# Allegro board 8880F5-0820_5.brd (continued)
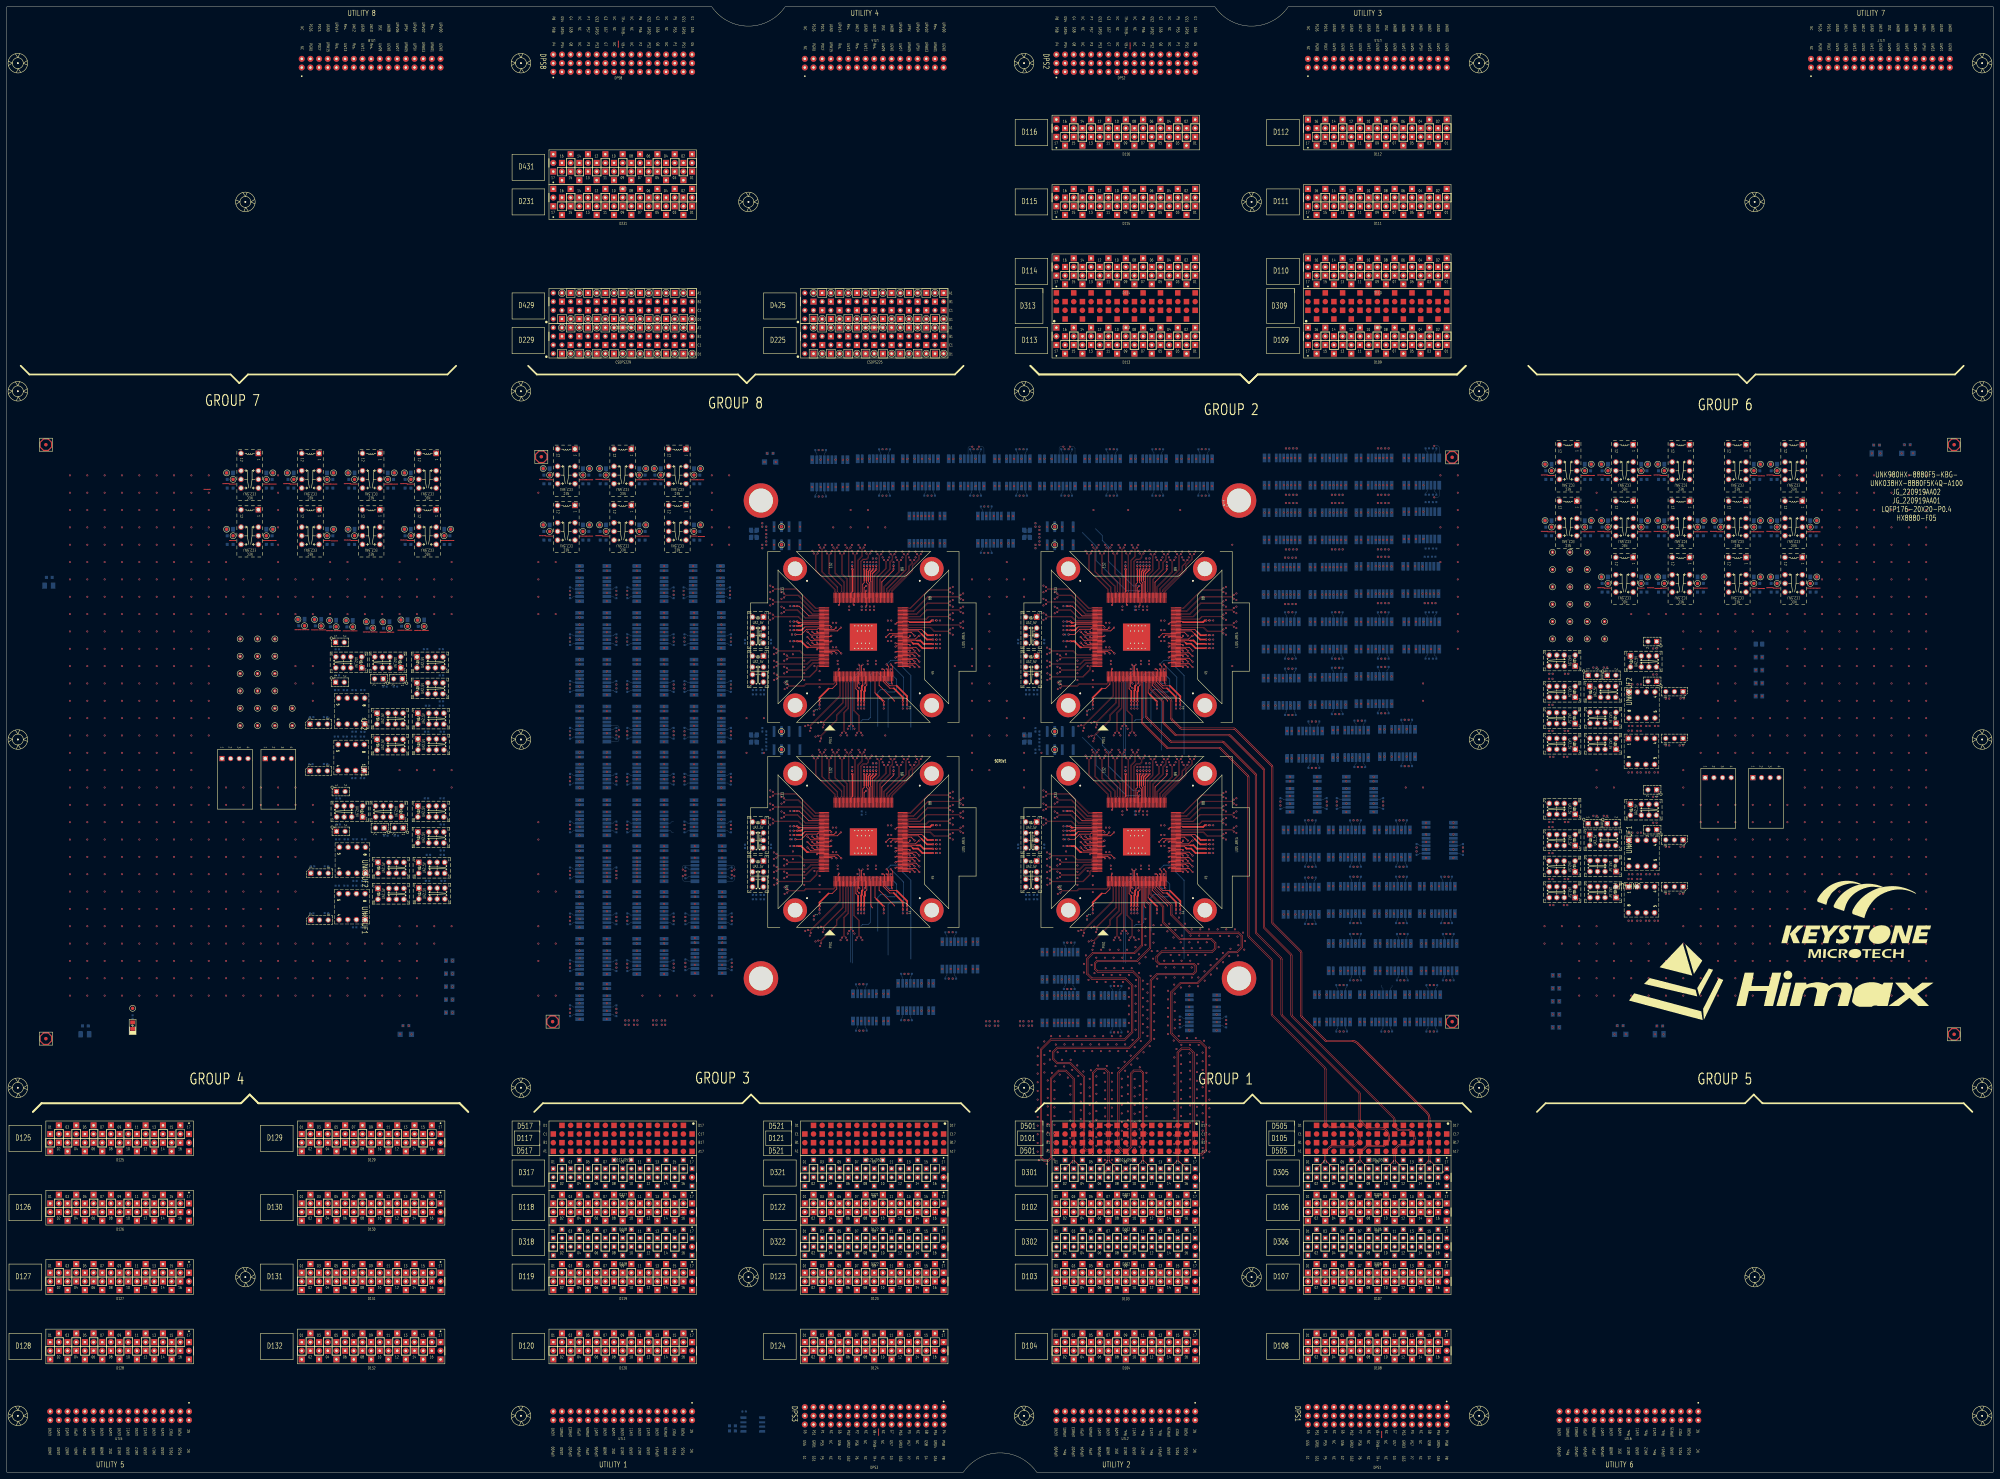
[diagram p0: board, top side]
## Routing (per net, layer and track width the routed paths; a pad name or vN(x,y) marks a point on that pad's centre or on a via; arc(x,y) is an arc through that point) (continued)
S2_SPI_1_CSN:
  vias: v1(474.99,230.78)
S2_SPI_1_SCK:
  vias: v1(480.07,218.59)
S2_SPI_1_SDI:
  vias: v1(456.19,217.17)
S2_SPI_1_SDO:
  vias: v1(455.94,209.55)
S2_SPI_2_CSN:
  vias: v1(475.87,217.23)
S2_SPI_2_SCK:
  vias: v1(479.97,204.98)
S2_SPI_2_SDI:
  vias: v1(451.62,217.17)
S2_SPI_2_SDO:
  vias: v1(451.87,209.55)
S2_SPI_11_SDI:
  vias: v1(457.19,217.17) v1(477.53,230.78)
S2_SPI_11_SDO:
  vias: v1(456.94,209.55) v1(482.61,218.59)
S2_SPI_22_SDI:
  vias: v1(452.62,217.17) v1(477.43,217.17)
S2_SPI_22_SDO:
  vias: v1(452.87,209.55) v1(482.51,204.98)
S2_SPI_CSN: length 25.9
  TOP w0.231: SITE2.43 339.03,231.23 v1(339.23,231.03)
  BOTTOM w0.231: v1(339.23,231.03) 338.4,231.03 335.17,234.25 333.57,234.25 332.91,233.59 332.91,221.11 332.25,220.44 330.61,220.44 330.11,219.95
S2_SPI_SCK: length 25.3
  TOP w0.231: SITE2.42 338.63,235.03 v1(338.83,235.23)
  BOTTOM w0.231: v1(338.83,235.23) 338.83,233.98 340.53,232.28 340.53,229.11 339.96,228.54 337.9,228.54 337.17,229.27 335.92,229.27 335.03,228.39 335.03,218.48
S2_SPI_SDI: length 34.1
  TOP w0.231: v1(338.83,236.63) 339.43,236.03 SITE2.44
  BOTTOM w0.231: v1(338.83,236.63) 342.6,232.86 342.6,227.63 342.04,227.06 338.85,227.06 338.07,226.28 338.07,211.53
S2_SPI_SDO: length 37
  TOP w0.231: SITE2.41 338.23,236.03 v1(337.63,236.63)
  BOTTOM w0.231: v1(337.63,236.63) 338.83,237.83 341.5,237.83 342.29,237.04 342.29,235.83 344.72,233.4 344.72,210.32
S2_XTAL_IN: length 28.3
  TOP w0.231: v1(331.63,258.23) 331.43,258.03 SITE2.109
  BOTTOM w0.231: v1(331.63,258.23) 327.82,258.23 318.94,267.1 318.94,271.27 314.98,275.24
  vias: v1(306.85,271.67)
S2_XTAL_OUT: length 26.8
  TOP w0.231: SITE2.110 331.03,259.03 v1(331.63,259.63)
  BOTTOM w0.231: v1(331.63,259.63) 329.83,259.63 322.59,266.87 322.59,271.15 320.8,272.93 320.8,274.36 318.8,276.35
  vias: v1(306.85,276.97)
S3_1TX_100DCH001+:
  vias: v1(184.47,176.66) v1(276.97,144.59)
S3_1TX_100DCH001-:
  vias: v1(192.47,176.66) v1(275.82,144.59)
S3_1TX_100DCH002+: length 17.2
  TOP w0.086: SITE3.75 263.98,188.03 264.06,188.11 278.84,188.11 v1(279.29,187.66)
  vias: v1(276.97,158.18)
S3_1TX_100DCH002-: length 17.2
  TOP w0.086: v1(279.29,188.8) 278.84,188.35 264.06,188.35 263.98,188.43 SITE3.76
  vias: v1(275.82,158.18)
S3_1TX_100DCH003+: length 14.5
  TOP w0.086: SITE3.79 263.98,189.63 264.06,189.71 269.2,189.71 270.02,190.53 275.8,190.53 v1(276.24,190.09)
  vias: v1(250.81,129.35)
S3_1TX_100DCH003-: length 14.5
  TOP w0.086: v1(276.24,191.23) 275.78,190.77 269.92,190.77 269.1,189.95 264.06,189.95 263.98,190.03 SITE3.80
  vias: v1(249.66,129.35)
S3_1TX_100DCH004+: length 18
  TOP w0.086: v1(279.29,192.02) 278.8,192.51 269.46,192.51 267.46,190.51 264.06,190.51 263.98,190.43 SITE3.81
  vias: v1(250.81,142.94)
S3_1TX_100DCH004-: length 18
  TOP w0.086: v1(279.29,193.16) 278.88,192.75 269.36,192.75 267.37,190.75 264.06,190.75 263.98,190.83 SITE3.82
  vias: v1(249.66,142.94)
S3_1TX_100DCH005+: length 15.4
  TOP w0.086: v1(276.24,193.95) 275.8,194.39 269.61,194.39 266.53,191.31 264.06,191.31 263.98,191.23 SITE3.83
  vias: v1(264.01,132.4)
S3_1TX_100DCH005-: length 15.4
  TOP w0.086: v1(276.24,195.09) 275.78,194.63 269.51,194.63 266.43,191.55 264.06,191.55 263.98,191.63 SITE3.84
  vias: v1(262.87,132.4)
S3_1TX_100DCH006+: length 19
  TOP w0.086: v1(279.29,195.88) 278.81,196.36 269.82,196.36 265.58,192.11 264.06,192.11 263.98,192.03 SITE3.85
  vias: v1(264.01,145.99)
S3_1TX_100DCH006-: length 18.9
  TOP w0.086: SITE3.86 263.98,192.43 264.06,192.35 265.48,192.35 269.73,196.6 278.87,196.6 v1(279.29,197.02)
  vias: v1(262.87,145.99)
S3_1TX_100DCH007+: length 16.3
  TOP w0.086: v1(276.24,197.81) 275.83,198.23 269.88,198.23 264.57,192.91 264.06,192.91 263.98,192.83 SITE3.87
  vias: v1(178.5,176.13)
S3_1TX_100DCH007-: length 16.4
  TOP w0.086: SITE3.88 263.98,193.23 264.06,193.15 264.47,193.15 269.78,198.47 275.76,198.47 v1(276.24,198.95)
  vias: v1(178.5,174.99)
S3_2AUX+:
  vias: v1(192.78,132.33) v1(192.78,131.06)
S3_2AUX-:
  vias: v1(189.24,131.06) v1(190.24,132.33)
S3_2TX_100DCH001+: length 16.3
  TOP w0.086: SITE3.89 259.43,197.78 259.35,197.86 259.35,198.16 265.32,204.13 265.32,205.52 267.21,207.41 267.21,208.5 v1(267.64,208.93)
  vias: v1(164.91,176.13)
S3_2TX_100DCH001-: length 16.3
  TOP w0.086: 266.97,208.48 266.97,208.46 ; 266.97,208.46 v1(266.5,208.93) ; 266.97,208.46 266.97,207.51 265.08,205.62 265.08,204.23 259.11,198.26 259.11,197.86 259.03,197.78 SITE3.90
  vias: v1(164.91,174.99)
S3_2TX_100DCH002+: length 14.1
  TOP w0.086: SITE3.91 258.63,197.78 258.55,197.86 258.55,198.23 264.35,204.04 264.35,205.37 265.28,206.31 265.28,206.78 v1(265.72,207.21)
  vias: v1(195.26,217.02)
S3_2TX_100DCH002-: length 14.1
  TOP w0.086: SITE3.92 258.23,197.78 258.31,197.86 258.31,198.33 264.11,204.13 264.11,205.47 265.04,206.4 265.04,206.74 v1(264.57,207.21)
  vias: v1(195.26,215.88)
S3_2TX_100DCH003+: length 15.3
  TOP w0.086: SITE3.93 257.83,197.78 257.75,197.86 257.75,198.68 263.34,204.27 263.34,208.49 v1(263.79,208.93)
  vias: v1(181.67,217.02)
S3_2TX_100DCH003-: length 15.3
  TOP w0.086: SITE3.94 257.43,197.78 257.51,197.86 257.51,198.78 263.1,204.37 263.1,208.47 v1(262.64,208.93)
  vias: v1(181.67,215.88)
S3_2TX_100DCH004+: length 13.1
  TOP w0.086: SITE3.95 257.03,197.78 256.95,197.86 256.95,199.28 261.41,203.74 261.41,206.77 v1(261.86,207.21)
  vias: v1(212.03,217.02)
S3_2TX_100DCH004-: length 13.2
  TOP w0.086: SITE3.96 256.63,197.78 256.71,197.86 256.71,199.38 261.17,203.84 261.17,206.75 v1(260.71,207.21)
  vias: v1(212.03,215.88)
S3_2TX_100DCH005+: length 14.6
  TOP w0.086: SITE3.98 255.83,197.78 255.75,197.86 255.75,201.48 258.7,204.43 258.7,206.53 259.46,207.3 259.46,208.47 v1(259.93,208.93)
  vias: v1(198.44,217.02)
S3_2TX_100DCH005-: length 14.6
  TOP w0.086: v1(258.78,208.93) 259.23,208.49 259.23,207.4 258.46,206.63 258.46,204.53 255.51,201.58 255.51,197.86 255.43,197.78 SITE3.99
  vias: v1(198.44,215.88)
S3_2TX_100DCH006+: length 12.4
  TOP w0.086: v1(258,207.21) 257.55,206.76 257.55,204.67 254.95,202.07 254.95,197.86 255.03,197.78 SITE3.100
  vias: v1(195.26,203.56)
S3_2TX_100DCH006-: length 12.4
  TOP w0.086: v1(256.85,207.21) 257.31,206.76 257.31,204.77 254.71,202.17 254.71,197.86 254.63,197.78 SITE3.101
  vias: v1(195.26,202.42)
S3_2TX_100DCH007+: length 13.6
  TOP w0.086: v1(256.07,208.93) 255.64,208.51 255.64,204.07 254.15,202.58 254.15,197.86 254.23,197.78 SITE3.102
  vias: v1(181.67,203.56)
S3_2TX_100DCH007-: length 13.7
  TOP w0.086: v1(254.93,208.93) 255.4,208.46 255.4,204.17 253.91,202.68 253.91,197.86 253.83,197.78 SITE3.103
  vias: v1(181.67,202.42)
S3_3TX_100DCH002+: length 15.4
  TOP w0.086: SITE3.114 249.43,197.78 249.35,197.86 249.35,207.06 250.46,208.18 250.46,210.4 v1(250.93,210.87)
  vias: v1(181.67,189.59)
S3_3TX_100DCH002-: length 15.4
  TOP w0.086: v1(249.79,210.87) 250.22,210.43 250.22,208.28 249.11,207.16 249.11,197.86 249.03,197.78 SITE3.115
  vias: v1(181.67,188.45)
S3_3TX_100DCH003+: length 13.2
  TOP w0.086: v1(248.93,209.15) 248.55,208.77 248.55,197.86 248.63,197.78 SITE3.116
  vias: v1(178.5,203.56)
S3_3TX_100DCH003-: length 13.3
  TOP w0.086: v1(247.79,209.15) 248.31,208.63 248.31,197.86 248.23,197.78 SITE3.117
  vias: v1(178.5,202.42)
S3_3TX_100DCH004+: length 15.1
  TOP w0.086: v1(247.07,210.87) 246.61,210.41 246.61,202.62 246.95,202.28 246.95,197.86 247.03,197.78 SITE3.120
  vias: v1(164.91,203.56)
S3_3TX_100DCH004-: length 15.1
  TOP w0.086: v1(245.93,210.87) 246.38,210.42 246.38,202.52 246.71,202.19 246.71,197.86 246.63,197.78 SITE3.121
  vias: v1(164.91,202.42)
S3_3TX_100DCH005+: length 13.8
  TOP w0.086: v1(245.14,209.15) 244.69,208.7 244.69,203.17 246.15,201.71 246.15,197.86 246.23,197.78 SITE3.122
  vias: v1(212.03,203.56)
S3_3TX_100DCH005-: length 13.8
  TOP w0.086: v1(244,209.15) 244.46,208.69 244.46,203.07 245.91,201.61 245.91,197.86 245.83,197.78 SITE3.123
  vias: v1(212.03,202.42)
S3_3TX_100DCH006+: length 16.1
  TOP w0.086: SITE3.124 245.43,197.78 245.35,197.86 245.35,200.75 242.73,203.37 242.73,210.45 v1(243.16,210.88)
  vias: v1(198.44,203.56)
S3_3TX_100DCH006-: length 16.1
  TOP w0.086: SITE3.125 245.03,197.78 245.11,197.86 245.11,200.65 242.49,203.28 242.49,210.41 v1(242.02,210.88)
  vias: v1(198.44,202.42)
S3_3TX_100DCH007+: length 14.8
  TOP w0.086: SITE3.126 244.63,197.78 244.55,197.86 244.55,199.62 240.83,203.34 240.83,208.7 v1(241.28,209.15)
  vias: v1(178.5,189.59)
S3_3TX_100DCH007-: length 14.8
  TOP w0.086: SITE3.127 244.23,197.78 244.31,197.86 244.31,199.52 240.59,203.24 240.59,208.7 v1(240.14,209.15)
  vias: v1(178.5,188.45)
S3_4TX_100DCH001+: length 16.8
  TOP w0.086: SITE3.129 243.43,197.78 243.35,197.86 243.35,199.29 238.85,203.79 238.85,210.43 v1(239.3,210.88)
  vias: v1(164.91,189.59)
S3_4TX_100DCH001-: length 16.8
  TOP w0.086: v1(238.16,210.88) 238.61,210.43 238.61,203.69 243.11,199.19 243.11,197.86 243.03,197.78 SITE3.130
  vias: v1(164.91,188.45)
S3_4TX_100DCH002+: length 15.6
  TOP w0.086: v1(237.43,209.15) 236.97,208.69 236.97,204.24 242.55,198.66 242.55,197.86 242.63,197.78 SITE3.131
  vias: v1(212.03,189.59)
S3_4TX_100DCH002-: length 15.6
  TOP w0.086: v1(236.28,209.15) 236.73,208.71 236.73,204.14 242.31,198.56 242.31,197.86 242.23,197.78 SITE3.132
  vias: v1(212.03,188.45)
S3_4TX_100DCH003+: length 17.6
  TOP w0.086: SITE3.133 237.68,193.23 237.6,193.15 236.94,193.15 231.22,198.87 224.75,198.87 v1(224.31,199.31)
  vias: v1(198.44,189.59)
S3_4TX_100DCH003-: length 17.6
  TOP w0.086: SITE3.134 237.68,192.83 237.6,192.91 236.84,192.91 231.12,198.63 224.77,198.63 v1(224.31,198.17)
  vias: v1(198.44,188.45)
S3_4TX_100DCH004+: length 13.8
  TOP w0.086: v1(227.6,197.38) 228.04,196.95 231.86,196.95 236.46,192.35 237.6,192.35 237.68,192.43 SITE3.135
  vias: v1(178.5,162.67)
S3_4TX_100DCH004-: length 13.9
  TOP w0.086: SITE3.136 237.68,192.03 237.6,192.11 236.36,192.11 231.76,196.71 228.07,196.71 v1(227.6,196.24)
  vias: v1(178.5,161.52)
S3_4TX_100DCH005+: length 16.7
  TOP w0.086: SITE3.137 237.68,191.63 237.6,191.55 235.88,191.55 232.43,195.01 224.75,195.01 v1(224.31,195.45)
  vias: v1(164.91,162.67)
S3_4TX_100DCH005-: length 16.7
  TOP w0.086: v1(224.31,194.31) 224.76,194.77 232.33,194.77 235.78,191.31 237.6,191.31 237.68,191.23 SITE3.138
  vias: v1(164.91,161.52)
S3_4TX_100DCH006+: length 12.9
  TOP w0.086: v1(227.6,193.14) 228.04,192.7 231.52,192.7 233.88,190.35 237.6,190.35 237.68,190.43 SITE3.140
  vias: v1(178.5,148.95)
S3_4TX_100DCH006-: length 12.9
  TOP w0.086: v1(227.6,192) 228.06,192.46 231.43,192.46 233.78,190.11 237.6,190.11 237.68,190.03 SITE3.141
  vias: v1(178.5,147.81)
S3_4TX_100DCH007+: length 15.7
  TOP w0.086: SITE3.142 237.68,189.63 237.6,189.55 233.04,189.55 231.83,190.76 224.76,190.76 v1(224.31,191.21)
  vias: v1(164.91,148.95)
S3_4TX_100DCH007-: length 15.7
  TOP w0.086: v1(224.31,190.07) 224.76,190.52 231.73,190.52 232.94,189.31 237.6,189.31 237.68,189.23 SITE3.143
  vias: v1(164.91,147.81)
S3_AUX_100DCH002+:
  vias: v1(191.78,132.33)
S3_AUX_100DCH002-:
  vias: v1(189.24,132.33)
S3_AUXCH+: length 32.3
  TOP w0.203: SITE3.21 250.23,176.2 v2(250.6,176.57)
  BOTTOM w0.203: v2(250.6,176.57) 250.3,176.28 250.3,174.52 247.57,171.79 247.57,149.14
S3_AUXCH-: length 32.1
  TOP w0.203: SITE3.20 249.83,176.2 v2(249.46,176.57)
  BOTTOM w0.203: v2(249.46,176.57) 249.76,176.28 249.76,174.75 247.03,172.02 247.03,149.37
S3_AVDD11_RX: length 8.4
  TOP w0.231: SITE3.31 254.23,168.29 254.67,167.85
  TOP w0.508: v1(256.77,165.75) 254.67,167.85
  vias: v1(256.77,163.71)
S3_AVDD11_XTAL: length 8.8
  TOP w0.231: 252.87,201.45 252.87,201.11 253.03,200.95 SITE3.105
  TOP w0.381: v1(253.72,204.54) 253.72,204.45 252.87,203.59 252.87,201.45
  vias: v1(253.72,206.58)
S3_AVDD18_RX: length 7.7
  TOP w0.231: 251.28,170.01 251.83,170.56 SITE3.25
  TOP w0.508: 251.28,170.01 251.28,168.9 251.06,168.68 v1(251.06,165.75)
  vias: v1(251.06,163.71)
S3_DCH041: length 2.2
  TOP w0.231: v1(237.23,183.03) 237.43,182.83 SITE3.159
S3_DCH042: length 3.7
  TOP w0.231: SITE3.160 236.43,182.43 v1(235.83,183.03)
S3_DCH043: length 5.3
  TOP w0.231: SITE3.161 235.44,182.03 v1(234.44,183.03)
S3_DCH044: length 2.2
  TOP w0.231: v1(237.23,181.03) 237.43,181.23 SITE3.163
S3_DCH045: length 5.4
  TOP w0.231: SITE3.164 243.35,180.83 v1(244.35,179.83)
S3_DCH046: length 3.9
  TOP w0.231: v1(242.95,179.83) 242.35,180.43 SITE3.165
S3_DCH047: length 2.3
  TOP w0.231: SITE3.166 241.36,180.03 v1(241.56,179.83)
S3_DPS_F_001:
  vias: v1(190.24,131.06)
S3_DPS_F_002: length 10.1
  TOP w0.231: 240.65,169.55 241.72,169.55 243.03,170.86 SITE3.3
  TOP w0.508: v1(237.98,165.75) 237.98,166.88 240.65,169.55
  vias: v1(236.32,162.9) v1(237.98,163.71)
S3_DPS_F_003: length 63.1
  TOP w0.231: 249.28,168.85 248.63,169.5 SITE3.17 ; SITE3.63 264.9,183.23 265.2,182.93 ; SITE3.37 256.63,171.59 258.57,169.66 259.73,169.66 ; 234.63,181.63 SITE3.162 ; SITE3.107 252.23,200.11 251.69,200.65 251.69,201.16 ; 232.83,188.18 233.08,188.43 SITE3.145 ; SITE3.71 266.94,186.43 267.84,185.53
  TOP w0.381: v1(251.94,204.54) 251.69,204.28 251.69,201.16
  TOP w0.508: 267.84,185.53 269.46,183.91 v1(271.22,183.91) ; v1(271.22,181.37) 268.11,181.37 266.8,182.68 265.45,182.68 265.2,182.93 ; 234.63,181.63 234.37,181.63 232.59,183.41 v1(231.44,183.41) ; v1(231.44,187.93) 232.58,187.93 232.83,188.18 ; 259.73,169.66 262.36,167.02 v1(262.36,165.75) ; v1(249.28,165.75) 249.28,168.85
  vias: v1(229.4,187.93) v1(229.4,183.41) v1(249.28,163.71) v1(251.94,206.58) v1(262.36,163.71) v1(273.27,183.91) v1(273.27,181.37)
S3_DPS_F_006: length 9.6
  TOP w0.231: SITE3.72 267.92,186.83 268.55,186.19
  TOP w0.508: v1(271.22,185.18) 269.56,185.18 268.55,186.19
  vias: v1(259,186.67) v1(273.27,185.18)
S3_DPS_F_007: length 19
  TOP w0.231: SITE3.78 264.15,189.23 264.37,189.01 ; v1(259.65,204.54) 259.65,204.13 256.23,200.71 SITE3.97
  TOP w0.508: 264.37,189.01 270.31,189.01 270.8,189.5 v1(271.22,189.5)
  vias: v1(259.65,206.58) v1(273.27,189.5)
S3_DPS_F_009: length 8.8
  TOP w0.231: 252.26,201.12 252.26,200.9 252.63,200.53 SITE3.106
  TOP w0.381: 252.26,201.12 252.26,203.82 252.83,204.39 v1(252.83,204.54)
  vias: v1(252.83,206.58) v1(253.61,207.66)
S3_DPS_F_010: length 8.6
  TOP w0.231: 251.05,201.13 251.05,200.57 250.63,200.15 SITE3.111
  TOP w0.381: 251.05,201.13 v1(251.05,204.54)
  vias: v1(251.05,206.58)
S3_DPS_F_011: length 17.6
  TOP w0.231: v1(231.44,193.69) 232.01,193.69 234.87,190.83 SITE3.139 ; SITE3.119 247.43,197.79 247.64,198.01
  TOP w0.508: v1(247.57,204.54) 247.64,204.47 247.64,198.01
  vias: v1(229.4,193.69) v1(247.57,206.58)
S3_DPS_F_012: length 8
  TOP w0.231: 232.2,188.83 SITE3.144
  TOP w0.508: v1(231.44,189.2) 231.81,188.83 232.2,188.83
  vias: v1(229.4,189.2)
S3_ISP00+: length 14.6
  TOP w0.086: SITE3.73 263.98,187.23 264.06,187.31 270.41,187.31 271.56,186.16 275.81,186.16 v1(276.24,185.73)
  vias: v1(184.47,178.86)
S3_ISP00-: length 14.6
  TOP w0.086: v1(276.24,186.87) 275.77,186.4 271.66,186.4 270.51,187.55 264.06,187.55 263.98,187.63 SITE3.74
  vias: v1(192.47,178.86)
S3_ISP14+: length 14.8
  TOP w0.086: v1(252.86,209.15) 252.42,208.71 252.42,207.92 251.76,207.26 250.73,207.26 250.15,206.68 250.15,197.86 250.23,197.78 SITE3.112
  vias: v1(184.47,174.46)
S3_ISP14-: length 14.8
  TOP w0.086: SITE3.113 249.83,197.78 249.91,197.86 249.91,206.78 250.63,207.5 251.66,207.5 252.18,208.02 252.18,208.69 v1(251.72,209.15)
  vias: v1(192.47,174.46)
S3_M_DPS_F_001: length 45.2
  TOP w0.231: SITE3.104 253.43,203.21 ; 260.57,170.37 258.54,170.37 257.43,171.49 SITE3.39 ; 266.49,183.63 SITE3.64 ; SITE3.147 233.7,187.63 233.24,187.18 ; 250.63,170.54 SITE3.22
  TOP w0.381: 253.43,203.21 254.61,204.39 v1(254.61,204.54)
  TOP w0.508: v1(271.22,182.64) 268.48,182.64 267.49,183.63 266.49,183.63 ; 260.57,170.37 263.63,167.31 v1(263.63,165.75) ; v1(250.17,165.75) 250.17,168.96 250.38,169.17 250.38,170.28 250.63,170.54 ; v1(231.44,186.66) 232.72,186.66 233.24,187.18
  vias: v1(229.4,186.66) v1(250.17,163.71) v1(254.61,206.58) v1(263.63,163.71) v1(273.27,182.64)
S3_PS9G_DCH001: length 3.7
  TOP w0.231: SITE3.18 249.03,170.23 v1(249.63,169.63)
S3_PS9G_DCH002: length 2.2
  TOP w0.231: v1(249.63,171.03) 249.43,171.23 SITE3.19
S3_PS9G_DCH003: length 2.2
  TOP w0.231: v1(251.23,171.03) 251.43,171.23 SITE3.24
S3_PS9G_DCH004: length 2.2
  TOP w0.231: v1(257.63,175.23) 257.83,175.03 SITE3.40
S3_PS9G_DCH005: length 2.2
  TOP w0.231: SITE3.45 264.23,176.03 v1(264.43,175.83)
S3_PS9G_DCH006: length 3.7
  TOP w0.231: v1(265.83,175.83) 265.23,176.43 SITE3.46
S3_PS9G_DCH007: length 5.3
  TOP w0.231: SITE3.47 266.22,176.83 v1(267.23,175.83)
S3_PS9G_DCH009: length 2.2
  TOP w0.231: v1(264.43,177.43) 264.23,177.63 SITE3.49
S3_PS9G_DCH010: length 3.7
  TOP w0.231: SITE3.50 265.23,178.03 v1(265.83,177.43)
S3_PS9G_DCH011: length 5.3
  TOP w0.231: SITE3.51 266.22,178.43 v1(267.23,177.43)
S3_PS9G_DCH014: length 3.7
  TOP w0.231: SITE3.54 265.23,179.63 v1(265.83,179.03)
S3_PS9G_DCH015: length 5.3
  TOP w0.231: SITE3.55 266.22,180.03 v1(267.23,179.03)
S3_PS9G_DCH022: length 5.3
  TOP w0.231: v1(267.23,185.03) 267.05,185.03 266.05,184.03 SITE3.65
S3_PS9G_DCH023: length 2.5
  TOP w0.231: v1(264.43,185.03) 264.43,184.83 264.03,184.43 SITE3.66
S3_PS9G_DCH027: length 3.9
  TOP w0.231: v1(265.83,185.03) 264.83,186.03 SITE3.70
S3_PS9G_DCH028: length 2.3
  TOP w0.231: SITE3.77 260.6,188.83 v1(260.23,188.46)
S3_PS9G_DCH030: length 9.2
  TOP w0.231: v1(230.91,185.39) 232.63,185.39 234.16,186.91 237.3,186.91 237.62,187.23 SITE3.148
S3_PS9G_DCH035: length 5.3
  TOP w0.231: v1(234.44,186.23) 235.44,185.23 SITE3.153
S3_PS9G_DCH036: length 2.2
  TOP w0.231: v1(241.43,185.03) 241.23,184.83 SITE3.154
S3_PS9G_DCH037: length 2.2
  TOP w0.231: SITE3.155 237.43,184.43 v1(237.23,184.63)
S3_PS9G_DCH038: length 3.7
  TOP w0.231: v1(235.83,184.63) 236.43,184.03 SITE3.156
S3_PS9G_DCH039: length 5.3
  TOP w0.231: SITE3.157 235.44,183.63 v1(234.44,184.63)
S3_PS9G_DCH040: length 2.2
  TOP w0.231: v1(241.43,183.43) 241.23,183.23 SITE3.158
S3_RLY_001:
  vias: v1(256.73,140.14) v1(282.9,155.38)
S3_RLY_003:
  vias: v1(167.7,182.06) v1(269.94,143.19)
S3_RLY_005:
  vias: v1(184.47,222.95) v1(201.23,222.95)
S3_RLY_007:
  vias: v1(184.47,209.49)
S3_RLY_008:
  vias: v1(167.7,209.49) v1(184.47,195.52)
S3_RLY_016:
  vias: v1(167.7,195.52) v1(201.23,209.49)
S3_RLY_021:
  vias: v1(167.7,168.6) v1(201.23,195.52)
S3_RLY_022:
  vias: v1(184.47,154.88) v1(201.49,155.13)
S3_RLY_023:
  vias: v1(167.7,141.67)
S3_RLY_025:
  vias: v1(201.49,182.06) v1(201.49,168.6)
S3_RLY_026:
  vias: v1(184.47,168.6)
S3_RLY_030:
  vias: v1(167.7,154.88)
S3_RLY_043:
  vias: v1(184.47,182.06)
S3_SCAN_DCH008: length 2.2
  TOP w0.231: v1(260.23,177.03) 260.43,177.23 SITE3.48
S3_SCAN_DCH012: length 2.2
  TOP w0.231: v1(260.23,178.63) 260.43,178.83 SITE3.52
S3_SCAN_DCH013: length 2.2
  TOP w0.231: v1(264.43,179.03) 264.23,179.23 SITE3.53
S3_SCAN_DCH016: length 2.2
  TOP w0.231: SITE3.56 260.43,180.43 v1(260.23,180.23)
S3_SCAN_DCH017: length 2.2
  TOP w0.231: v1(264.43,180.63) 264.23,180.83 SITE3.57
S3_SCAN_DCH018: length 3.7
  TOP w0.231: SITE3.58 265.23,181.23 v1(265.83,180.63)
S3_SCAN_DCH019: length 5.3
  TOP w0.231: SITE3.59 266.22,181.63 v1(267.23,180.63)
S3_SCAN_DCH020: length 2.2
  TOP w0.231: v1(260.23,181.83) 260.43,182.03 SITE3.60
S3_SCAN_DCH021: length 2.2
  TOP w0.231: v1(264.43,182.23) 264.23,182.43 SITE3.61
S3_SCAN_DCH024: length 2.2
  TOP w0.231: SITE3.67 260.43,184.83 v1(260.23,184.63)
S3_SCAN_DCH025: length 3.7
  TOP w0.231: SITE3.68 259.43,185.23 v1(258.83,184.63)
S3_SCAN_DCH026: length 5.3
  TOP w0.231: v1(257.44,184.63) 258.44,185.63 SITE3.69
S3_SCAN_DCH031: length 3.7
  TOP w0.231: v1(242.83,187.43) 242.23,186.83 SITE3.149
S3_SCAN_DCH032: length 5.3
  TOP w0.231: SITE3.150 243.22,186.43 v1(244.22,187.43)
S3_SCAN_DCH033: length 2.2
  TOP w0.231: v1(237.23,186.23) 237.43,186.03 SITE3.151
S3_SCAN_DCH034: length 3.7
  TOP w0.231: v1(235.83,186.23) 236.43,185.63 SITE3.152
S3_SPI_CSN: length 25.9
  TOP w0.231: SITE3.43 259.03,171.23 v1(259.23,171.03)
  BOTTOM w0.231: v1(259.23,171.03) 258.4,171.03 255.17,174.25 253.58,174.25 252.91,173.59 252.91,161.11 252.25,160.44 250.61,160.44 250.11,159.95
S3_SPI_SCK: length 25.3
  TOP w0.231: v1(258.83,175.23) 258.63,175.03 SITE3.42
  BOTTOM w0.231: v1(258.83,175.23) 258.83,173.98 260.53,172.28 260.53,169.11 259.96,168.54 257.9,168.54 257.17,169.27 255.92,169.27 255.03,168.39 255.03,158.48
S3_SPI_SDI: length 34.1
  TOP w0.231: SITE3.44 259.43,176.03 v1(258.83,176.63)
  BOTTOM w0.231: 258.07,151.53 258.07,166.28 258.85,167.06 262.04,167.06 262.6,167.63 262.6,172.86 v1(258.83,176.63)
S3_SPI_SDO: length 37
  TOP w0.231: SITE3.41 258.23,176.03 v1(257.63,176.63)
  BOTTOM w0.231: 264.72,150.32 264.72,173.4 262.29,175.83 262.29,177.04 261.5,177.83 258.83,177.83 v1(257.63,176.63)
S3_XTAL_OUT: length 3.7
  TOP w0.231: v1(251.63,199.63) 251.03,199.03 SITE3.110
S4_1TX_100DCH001+:
  vias: v1(310.01,131.64) v1(421.02,174.43)
S4_1TX_100DCH001-:
  vias: v1(310.01,139.64) v1(422.17,174.43)
S4_1TX_100DCH002+: length 17.2
  TOP w0.086: v1(359.29,187.66) 358.84,188.11 344.06,188.11 343.98,188.03 SITE4.75
  vias: v1(421.02,160.85)
S4_1TX_100DCH002-: length 17.2
  TOP w0.086: v1(359.29,188.8) 358.84,188.35 344.06,188.35 343.98,188.43 SITE4.76
  vias: v1(422.17,160.85)
S4_1TX_100DCH003+: length 14.5
  TOP w0.086: SITE4.79 343.98,189.63 344.06,189.71 349.2,189.71 350.02,190.53 355.8,190.53 v1(356.24,190.09)
  vias: v1(408.07,157.67)
S4_1TX_100DCH003-: length 14.5
  TOP w0.086: SITE4.80 343.98,190.03 344.06,189.95 349.1,189.95 349.92,190.77 355.78,190.77 v1(356.24,191.23)
  vias: v1(409.21,157.67)
S4_1TX_100DCH004+: length 18
  TOP w0.086: SITE4.81 343.98,190.43 344.06,190.51 347.46,190.51 349.46,192.51 358.8,192.51 v1(359.29,192.02)
  vias: v1(408.07,144.08)
S4_1TX_100DCH004-: length 18
  TOP w0.086: SITE4.82 343.98,190.83 344.06,190.75 347.37,190.75 349.36,192.75 358.88,192.75 v1(359.29,193.16)
  vias: v1(409.21,144.08)
S4_1TX_100DCH005+: length 15.4
  TOP w0.086: v1(356.24,193.95) 355.8,194.39 349.61,194.39 346.53,191.31 344.06,191.31 343.98,191.23 SITE4.83
  vias: v1(324.25,142.43)
S4_1TX_100DCH005-: length 15.4
  TOP w0.086: SITE4.84 343.98,191.63 344.06,191.55 346.43,191.55 349.51,194.63 355.78,194.63 v1(356.24,195.09)
  vias: v1(325.39,142.43)
S4_1TX_100DCH006+: length 19
  TOP w0.086: SITE4.85 343.98,192.03 344.06,192.11 345.58,192.11 349.82,196.36 358.81,196.36 v1(359.29,195.88)
  vias: v1(324.25,128.84)
S4_1TX_100DCH006-: length 18.9
  TOP w0.086: SITE4.86 343.98,192.43 344.06,192.35 345.48,192.35 349.73,196.6 358.87,196.6 v1(359.29,197.02)
  vias: v1(325.39,128.84)
S4_1TX_100DCH007+: length 16.3
  TOP w0.086: v1(356.24,197.81) 355.83,198.23 349.88,198.23 344.57,192.91 344.06,192.91 343.98,192.83 SITE4.87
  vias: v1(409.34,220.41)
S4_1TX_100DCH007-: length 16.4
  TOP w0.086: v1(356.24,198.95) 355.76,198.47 349.78,198.47 344.47,193.15 344.06,193.15 343.98,193.23 SITE4.88
  vias: v1(410.48,220.41)
S4_2AUX+:
  vias: v1(300.22,132.08) v1(300.22,130.81)
S4_2AUX-:
  vias: v1(296.68,130.81) v1(297.68,132.08)
S4_2TX_100DCH001+: length 16.3
  TOP w0.086: SITE4.89 339.43,197.78 339.35,197.86 339.35,198.16 345.32,204.13 345.32,205.52 347.21,207.41 347.21,208.5 v1(347.64,208.93)
  vias: v1(409.34,206.82)
S4_2TX_100DCH001-: length 16.3
  TOP w0.086: v1(346.5,208.93) 346.97,208.46 ; 346.97,208.46 346.97,207.51 345.08,205.62 345.08,204.23 339.11,198.26 339.11,197.86 339.03,197.78 SITE4.90 ; 346.97,208.46 346.97,208.48
  vias: v1(410.48,206.82)
S4_2TX_100DCH002+: length 14.1
  TOP w0.086: SITE4.91 338.63,197.78 338.55,197.86 338.55,198.23 344.35,204.04 344.35,205.37 345.28,206.31 345.28,206.78 v1(345.72,207.21)
  vias: v1(421.53,157.67)
S4_2TX_100DCH002-: length 14.1
  TOP w0.086: SITE4.92 338.23,197.78 338.31,197.86 338.31,198.33 344.11,204.13 344.11,205.47 345.04,206.4 345.04,206.74 v1(344.57,207.21)
  vias: v1(422.68,157.67)
S4_2TX_100DCH003+: length 15.3
  TOP w0.086: SITE4.93 337.83,197.78 337.75,197.86 337.75,198.68 343.34,204.27 343.34,208.49 v1(343.79,208.93)
  vias: v1(421.53,144.08)
S4_2TX_100DCH003-: length 15.3
  TOP w0.086: SITE4.94 337.43,197.78 337.51,197.86 337.51,198.78 343.1,204.37 343.1,208.47 v1(342.64,208.93)
  vias: v1(422.68,144.08)
S4_2TX_100DCH004+: length 13.1
  TOP w0.086: SITE4.95 337.03,197.78 336.95,197.86 336.95,199.28 341.41,203.74 341.41,206.77 v1(341.86,207.21)
  vias: v1(394.35,157.67)
S4_2TX_100DCH004-: length 13.2
  TOP w0.086: SITE4.96 336.63,197.78 336.71,197.86 336.71,199.38 341.17,203.84 341.17,206.75 v1(340.71,207.21)
  vias: v1(395.5,157.67)
S4_2TX_100DCH005+: length 14.6
  TOP w0.086: v1(339.93,208.93) 339.46,208.47 339.46,207.3 338.7,206.53 338.7,204.43 335.75,201.48 335.75,197.86 335.83,197.78 SITE4.98
  vias: v1(394.35,144.08)
S4_2TX_100DCH005-: length 14.6
  TOP w0.086: v1(338.78,208.93) 339.22,208.49 339.22,207.4 338.46,206.63 338.46,204.53 335.51,201.58 335.51,197.86 335.43,197.78 SITE4.99
  vias: v1(395.5,144.08)
S4_2TX_100DCH006+: length 12.4
  TOP w0.086: SITE4.100 335.03,197.78 334.95,197.86 334.95,202.07 337.55,204.67 337.55,206.76 v1(338,207.21)
  vias: v1(426.4,182.99)
